# Altium PCB MOTHER_BOARD_LS1021_v1.0.PcbDoc (part 14 of 15) (continued)
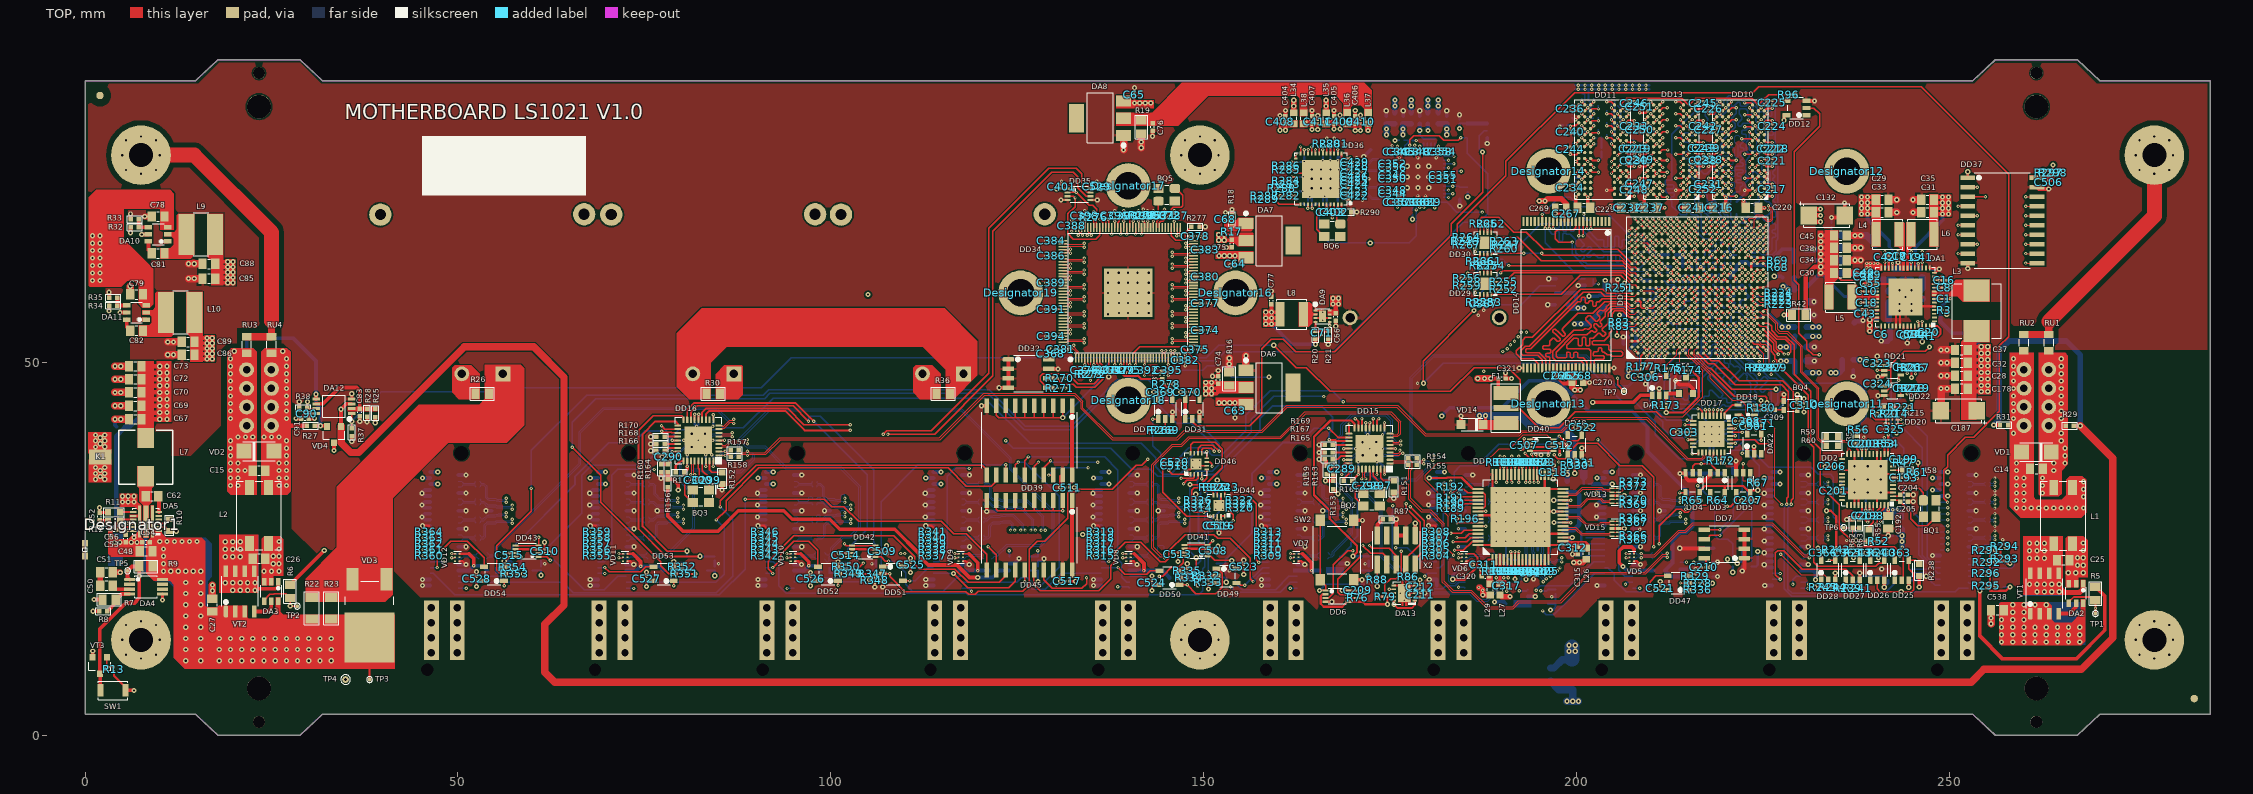
[diagram p0: TOP view]
## Nets (pads, with @x,y where several pads share a name; then routed paths per layer and width w, separated by ;. In a path a pad name is that pad's centre, name@x,y a point inside that pad or via, vN(x,y) a via of type N, cw(c..) or ccw(c..) an arc to the next point about the centre after c; other vN are vias at no path point) (continued)
  TOP w0.15: DD15.31@171.75,35.7 171.75,35.39 171.625,35.265 171.625,34.606 171.775,34.456 v1(171.775,34.375) ; R154.2@178.575,37.15 178.8,36.925 178.8,36.913 178.888,36.825 179.294,36.825 179.444,36.975 v1(179.525,36.975) ; v1(209.45,52.45) DD1.D3@209.85,52.85
  BOTTOM w0.15: v1(171.775,34.375) 171.775,34.456 171.625,34.606 171.625,34.75 171.85,34.975 172.331,34.975 173.156,34.15 178.579,34.15 180.313,35.884 180.313,36.591 180.079,36.825 179.756,36.825 179.606,36.975 v1(179.525,36.975) 179.444,36.975 179.294,36.825 178.897,36.825 177.994,37.728 177.994,47.903 180.858,50.768 201.215,50.768 205.272,46.711 207.036,46.711 207.847,47.522 207.847,48.448 208.475,49.076 208.475,51.285 209.175,51.985 209.175,52.213 209.412,52.45 v1(209.45,52.45)
USB1_PWR: L18.2 VD5.6 X4.8 X5.8 | length 40.2
  TOP w0.25: VD5.6@207.725,24.35 207.725,24.871
  TOP w0.5: v2(206.233,22.635) 205.737,23.13 205.737,24.743 206.263,25.268 207.407,25.268 207.725,24.95 207.725,24.871
  SIGNAL1 w0.5: v2(206.233,22.635) 207.542,21.325 216.015,21.325 216.409,21.719 218.329,21.719 218.61,22 219.19,22 220.015,21.175 226.031,21.175 226.876,20.33 227.558,20.33 228.083,20.856 v2(232.048,20.856)
  BOTTOM w0.5: v2(206.233,22.635) 206.767,22.1 X5.8@207.575,22.1 L18.2@210.375,22.1 ; X4.8@230.075,22.1 231.7,22.1 232.048,21.752 v2(232.048,20.856)
USB1_VBUS: DA23.1 R153.2 R163.2 | length 55.7
  TOP w0.5: v2(166.35,34.125) R153.2@167.4,34.125 ; v2(202.175,44.65) 207.625,44.65 208.575,45.6 DA23.1@210.15,45.6
  GND+PWR2 w0.5: v2(166.35,34.125) 166.35,36.392 167.962,38.005 167.962,42.283 170.005,44.325 190.825,44.325 193.6,41.55 197.825,41.55 200.925,44.65 v2(202.175,44.65)
USB2_CLK: DD1.U3 DD17.26 | length 23.2
  TOP w0.196: DD1.U3@220.25,52.85 v1(220.65,52.45) ; DD17.26@220.6,39.15 v1(221.3,39.15)
  BOTTOM w0.149: v1(220.65,52.45) 220.885,52.45 221.285,52.849 221.615,52.849 221.849,52.615 221.849,52.503 ; 222.65,50.55 222.65,51.825 222.425,52.05 222.025,52.05 221.85,52.225 221.85,52.502 ; 221.849,52.503 221.85,52.502
  BOTTOM w0.196: v1(221.3,39.15) 221.775,39.625 221.775,40.954 222.048,41.227 222.048,41.573 223.023,42.548 224.973,42.548 227,44.575 227,45.85 227.323,46.173 227.323,47.302 226.75,47.875 225.95,47.875 223.5,50.325 222.875,50.325 222.65,50.55
USB2_D0: DD1.U2 DD17.3 | length 20
  TOP w0.196: DD17.3@218.875,42.875 218.875,43.616 v1(218.936,43.677) ; DD1.U2@220.25,52.05 v1(220.65,51.65)
  BOTTOM w0.149: v1(220.65,51.65) 221.049,52.049 221.615,52.049 221.849,51.815 221.849,51.399 221.7,51.25 221.285,51.25 221.05,51.015 221.05,50.536
  BOTTOM w0.196: v1(218.936,43.677) 218.936,43.709 219.552,44.325 219.821,44.325 220.046,44.1 220.628,44.1 220.853,44.325 221.31,44.325 221.56,44.075 222.209,44.075 222.459,44.325 223.8,44.325 223.958,44.483 223.958,44.692 223.85,44.8 223.175,44.8 223.05,44.925 223.05,45.125 223.25,45.325 224.1,45.325 224.275,45.5 224.275,45.8 223.9,46.175 223.9,46.598 224.275,46.973 224.275,47.311 221.05,50.536
USB2_D1: DD1.U1 DD17.4 | length 20.1
  TOP w0.196: DD17.4@218.375,42.875 v1(218.375,43.675) ; DD1.U1@220.25,51.25 v1(220.65,50.85)
  BOTTOM w0.196: v1(218.375,43.675) 218.375,43.9 219.675,45.2 220,45.2 220.139,45.061 220.139,44.76 220.278,44.621 220.696,44.621 220.835,44.76 220.835,45.061 220.974,45.2 221.392,45.2 221.531,45.061 221.531,44.76 221.67,44.621 222.088,44.621 222.227,44.76 222.227,45.061 222.366,45.2 222.575,45.2 223.4,46.025 223.4,47.175 223.222,47.353 222.829,47.746 222.829,47.943 222.928,48.043 222.928,48.24 222.633,48.535 222.436,48.535 222.238,48.337 220.954,47.053 220.757,47.053 220.462,47.348 220.462,47.545 221.746,48.829 221.944,49.027 221.944,49.224 221.649,49.519 221.452,49.519 221.352,49.42 221.155,49.42 221.008,49.567 220.65,49.925 v1(220.65,50.85)
USB2_D2: DD1.T1 DD17.5 | length 24.5
  TOP w0.196: v1(217.811,43.677) 217.843,43.645 217.843,42.907 DD17.5@217.875,42.875 ; DD1.T1@219.45,51.25 v1(219.85,50.85)
  BOTTOM w0.196: v1(217.811,43.677) 217.811,44.421 217.811,44.629 217.671,44.769 217.225,44.769 217.086,44.908 217.086,45.325 217.225,45.465 217.671,45.465 217.811,45.604 217.811,46.136 217.958,46.283 218.155,46.283 219.149,45.289 219.346,45.289 219.641,45.585 219.641,45.782 218.549,46.874 217.594,47.829 217.594,48.025 217.889,48.321 218.086,48.321 219.041,47.366 220.816,45.591 221.013,45.591 221.309,45.886 221.309,46.083 219.632,47.76 219.632,47.957 219.85,48.175 219.85,48.384 219.711,48.523 218.788,48.523 218.648,48.662 218.648,49.08 218.788,49.219 219.85,49.219 220.255,49.219 220.394,49.358 220.394,49.776 220.255,49.915 219.985,49.915 219.85,50.05 v1(219.85,50.85)
USB2_D3: DD1.R2 DD17.6 | length 20.9
  TOP w0.196: v1(217.261,43.677) 217.375,43.563 DD17.6@217.375,42.875 ; DD1.R2@218.65,52.05 v1(219.05,51.65)
  BOTTOM w0.149: v1(219.05,51.65) 218.662,51.65 218.475,51.463 218.475,51.275 218.55,51.2 218.835,51.2 218.885,51.249 219.215,51.249 219.449,51.015 219.449,50.55
  BOTTOM w0.196: v1(217.261,43.677) 217.261,44.314 216.612,44.963 216.103,44.963 215.95,45.117 215.95,45.52 215.745,45.725 215.325,45.725 215.075,45.475 215.075,45.177 214.861,44.963 214.537,44.963 213.764,45.736 213.764,46.239 214.131,46.606 214.806,46.606 215.031,46.831 215.031,47.346 215.336,47.65 215.75,47.65 216.05,47.35 216.05,46.25 216.3,46 216.55,46 216.8,46.25 216.8,47.901 219.449,50.55
USB2_D4: DD1.T3 DD17.7 | length 20.5
  TOP w0.196: v1(216.3,43.775) 216.55,43.775 216.875,43.45 DD17.7@216.875,42.875 ; DD1.T3@219.45,52.85 v1(219.85,52.45)
  BOTTOM w0.149: 218.677,52.05 219.215,52.05 219.45,51.814 219.45,51.485 219.685,51.25 220.025,51.25 220.249,51.474 220.249,52.05 v1(219.85,52.45)
  BOTTOM w0.196: v1(216.3,43.775) 213.75,43.775 212.429,45.096 212.429,47.529 213.75,48.85 216.004,48.85 218.169,51.015 218.169,51.542 218.677,52.05
USB2_D5: DD1.T4 DD17.9 | length 22.3
  TOP w0.196: v1(214.85,42.25) 215.55,42.25 DD17.9@215.65,42.15 ; DD1.T4@219.45,53.65 v1(219.85,53.25)
  BOTTOM w0.149: 216.997,51.351 216.997,52.562 217.286,52.85 219.45,52.85 v1(219.85,53.25)
  BOTTOM w0.196: v1(214.85,42.25) 212.1,42.25 210.45,43.9 210.45,46.975 213.425,49.95 215.597,49.95 216.997,51.351
USB2_D6: DD1.R3 DD17.10 | length 20
  TOP w0.196: v1(214.55,41.65) DD17.10@215.65,41.65 ; DD1.R3@218.65,52.85 v1(219.05,52.45)
  BOTTOM w0.196: v1(214.55,41.65) 214.95,41.65 215.273,41.973 215.273,42.627 214.525,43.375 213.114,43.375 211.75,44.739 211.75,47.55 213.7,49.5 215.912,49.5 217.873,51.461 217.873,51.996 218.327,52.45 v1(219.05,52.45)
USB2_D7: DD1.R4 DD17.13 | length 25
  TOP w0.196: v1(214.686,40.164) 214.693,40.157 215.643,40.157 DD17.13@215.65,40.15 ; DD1.R4@218.65,53.65 v1(219.05,53.25)
  BOTTOM w0.149: 217.234,53.632 217.251,53.649 218.65,53.649 v1(219.05,53.25)
  BOTTOM w0.196: v1(214.686,40.164) 214.447,39.925 212.85,39.925 211.6,41.175 211.6,42.025 209.85,43.775 209.85,47.277 213.148,50.575 215.8,50.575 216.725,51.5 216.725,53.123 217.234,53.632
USB2_D_N: R129.1 VD6.2 X6.12 | length 4.3
  TOP w0.15: v1(184.175,23.825) 184.188,23.837 184.612,23.837 VD6.2@184.625,23.85
  BOTTOM w0.15: v1(184.175,23.825) 184.95,23.825 X6.12@185.075,23.7 185.425,23.7 185.6,23.875 185.6,23.887 185.738,24.025 187.337,24.025 187.425,23.937 187.425,23.925 R129.1@187.65,23.7
USB2_D_P: R130.1 VD6.1 X6.14 | length 4.3
  TOP w0.15: v1(184.175,24.375) 184.188,24.362 184.637,24.362 VD6.1@184.65,24.35
  BOTTOM w0.15: v1(184.175,24.375) 184.95,24.375 X6.14@185.075,24.5 185.425,24.5 185.6,24.325 185.6,24.313 185.638,24.275 187.337,24.275 187.425,24.363 187.425,24.375 R130.1@187.65,24.6
USB2_DIR: DD1.R1 DD17.31 | length 22.4
  TOP w0.196: DD1.R1@218.65,51.25 v1(219.05,50.85) ; DD17.31@220.6,41.65 v1(221.625,41.65)
  BOTTOM w0.196: v1(219.05,50.85) 216.5,48.3 214.194,48.3 213.85,47.956 213.85,47.25 213.068,46.468 213.068,45.307 213.983,44.392 216.433,44.392 216.838,43.987 216.838,42.737 217.752,41.823 218.3,41.823 218.548,41.575 218.548,41.379 218.952,40.975 220.02,40.975 220.043,40.998 220.048,40.998 220.7,41.65 v1(221.625,41.65)
USB2_NXT: DD1.V1 DD17.2 | length 24.7
  TOP w0.196: DD17.2@219.375,42.875 219.417,42.917 219.417,43.592 v1(219.5,43.675) ; DD1.V1@221.05,51.25 v1(221.45,50.85)
  BOTTOM w0.196: v1(219.5,43.675) 220.725,43.675 222.825,43.675 222.964,43.814 222.964,43.89 223.103,44.029 223.521,44.029 223.66,43.89 223.66,43.675 223.66,42.983 223.799,42.844 224.217,42.844 224.356,42.983 224.356,43.675 224.356,44.213 224.495,44.352 224.913,44.352 225.052,44.213 225.052,43.814 225.191,43.675 225.4,43.675 226.15,44.425 226.15,46.1 226.141,46.109 225.747,46.503 225.551,46.503 225.063,46.015 224.866,46.015 224.571,46.311 224.571,46.507 225.157,47.093 225.637,47.573 225.637,47.77 225.341,48.065 225.144,48.065 224.665,47.585 224.641,47.561 224.444,47.561 224.148,47.857 224.148,48.053 224.148,48.102 223.704,48.546 223.656,48.546 223.459,48.546 223.164,48.841 223.164,49.038 223.188,49.062 223.663,49.537 223.663,49.733 223.368,50.029 223.171,50.029 222.795,49.652 222.598,49.652 222.45,49.8 221.45,50.8 v1(221.45,50.85)
USB2_PWR: L19.2 VD6.6 X6.8 | length 18.8
  TOP w0.25: VD6.6@185.225,24.35 186.208,24.35 186.734,23.823 186.734,22.983
  TOP w0.4: v2(183.425,20.925) 185.019,20.925 186.734,22.64 186.734,22.983
  GND+PWR1 w0.5: v2(183.425,20.925) 187.619,20.925 188.999,19.545 v2(188.999,17.879)
  BOTTOM w0.5: v2(183.425,20.925) 183.425,21.45 184.075,22.1 X6.8@185.075,22.1 ; v2(188.999,17.879) 190.296,17.879 L19.2@190.525,17.65
USB2_STP: DD1.T5 DD17.29 | length 25.1
  TOP w0.196: DD1.T5@219.45,54.45 v1(219.85,54.05) ; DD17.29@220.6,40.65 v1(222.25,40.65)
  BOTTOM w0.149: v1(219.85,54.05) 220.25,53.649 222.476,53.649 222.65,53.475 222.65,52.285 222.885,52.05 223.251,52.05 223.273,52.073
  BOTTOM w0.196: v1(222.25,40.65) 222.975,40.65 224.25,41.925 225.25,41.925 228.45,45.125 228.45,46.925 226.556,48.819 226.081,48.819 225.4,49.5 225.4,50.8 224.127,52.073 223.273,52.073 ; 223.248,52.05 223.251,52.05
USB3_D_N: R131.1 VD7.2 X7.12 | length 4.7
  TOP w0.15: v1(161.65,23.825) 161.663,23.837 162.112,23.837 VD7.2@162.125,23.85
  BOTTOM w0.15: v1(161.65,23.825) 162.45,23.825 X7.12@162.575,23.7 162.925,23.7 163.1,23.875 163.1,23.887 163.188,23.975 163.4,23.975 164.512,23.975 165.237,23.975 165.325,23.887 165.325,23.875 R131.1@165.55,23.65
USB3_D_P: R132.1 VD7.1 X7.14 | length 4.7
  TOP w0.15: v1(161.65,24.375) 161.663,24.362 162.137,24.362 VD7.1@162.15,24.35
  BOTTOM w0.15: v1(161.65,24.375) 162.45,24.375 X7.14@162.575,24.5 162.925,24.5 163.1,24.325 163.1,24.313 163.188,24.225 163.504,24.225 164.616,24.225 165.237,24.225 165.325,24.313 165.325,24.325 R132.1@165.55,24.55
USB3_PWR: L20.2 VD7.6 X7.8 | length 3.3
  TOP w0.196: VD7.6@162.725,24.35 163.275,24.35
  TOP w0.5: 163.275,24.35 164.475,23.15 v1(164.475,22.1)
USB4_D_N: R133.1 VD8.2 X8.12 | length 4.4
  TOP w0.15: v1(139.15,23.825) 139.163,23.837 139.612,23.837 VD8.2@139.625,23.85
  BOTTOM w0.15: v1(139.15,23.825) 139.95,23.825 X8.12@140.075,23.7 140.425,23.7 140.6,23.875 140.6,23.887 140.688,23.975 140.9,23.975 142.062,23.975 142.412,23.975 142.5,23.887 142.5,23.875 R133.1@142.725,23.65
USB4_D_P: R134.1 VD8.1 X8.14 | length 4.4
  TOP w0.15: v1(139.15,24.375) 139.163,24.362 139.637,24.362 VD8.1@139.65,24.35
  BOTTOM w0.15: v1(139.15,24.375) 139.95,24.375 X8.14@140.075,24.5 140.425,24.5 140.6,24.325 140.6,24.313 140.688,24.225 141.004,24.225 141.959,24.225 142.412,24.225 142.5,24.313 142.5,24.325 R134.1@142.725,24.55
USB4_PWR: L21.2 VD8.6 X8.8 | length 9.1
  TOP w0.196: VD8.6@140.225,24.35 140.7,24.35
  TOP w0.5: 140.7,24.35 142,23.05 v1(142,22.1)
  BOTTOM w0.5: X8.8@140.075,22.1 144.475,22.1 145.425,21.15 L21.2@145.425,21.1
USB5_D_N: R135.1 VD9.2 X9.12 | length 4.7
  TOP w0.15: v1(116.65,23.825) 116.663,23.837 117.112,23.837 VD9.2@117.125,23.85
  BOTTOM w0.15: v1(116.65,23.825) 117.45,23.825 X9.12@117.575,23.7 117.925,23.7 118.1,23.875 118.1,23.887 118.213,24 120.187,24 120.275,23.912 120.275,23.9 R135.1@120.5,23.675
USB5_D_P: R136.1 VD9.1 X9.14 | length 4.7
  TOP w0.15: v1(116.65,24.375) 116.662,24.362 117.137,24.362 VD9.1@117.15,24.35
  BOTTOM w0.15: v1(116.65,24.375) 117.45,24.375 X9.14@117.575,24.5 117.925,24.5 118.1,24.325 118.1,24.313 118.163,24.25 120.187,24.25 120.275,24.338 120.275,24.35 R136.1@120.5,24.575
USB5_PWR: L22.2 VD9.6 X9.8 | length 3.5
  TOP w0.25: VD9.6@117.725,24.35 118.525,24.35
  TOP w0.5: 118.525,24.35 119.725,23.15 v1(119.725,22.1)
USB6_D_N: R137.1 VD10.2 X10.12 | length 4.7
  TOP w0.15: v1(94.125,23.825) 94.138,23.837 94.612,23.837 VD10.2@94.625,23.85
  BOTTOM w0.15: v1(94.125,23.825) 94.95,23.825 X10.12@95.075,23.7 95.425,23.7 95.6,23.875 95.6,23.887 95.688,23.975 95.9,23.975 97.475,23.975 97.712,23.975 97.8,23.887 97.8,23.875 R137.1@98.025,23.65
USB6_D_P: R138.1 VD10.1 X10.14 | length 4.7
  TOP w0.15: v1(94.125,24.375) 94.138,24.362 94.637,24.362 VD10.1@94.65,24.35
  BOTTOM w0.15: v1(94.125,24.375) 94.95,24.375 X10.14@95.075,24.5 95.425,24.5 95.6,24.325 95.6,24.313 95.688,24.225 96.004,24.225 97.371,24.225 97.712,24.225 97.8,24.313 97.8,24.325 R138.1@98.025,24.55
USB6_PWR: L23.2 VD10.6 X10.8 | length 6.9
  TOP w0.3: VD10.6@95.225,24.35 95.975,24.35
  TOP w0.5: 95.975,24.35 97.05,23.275 v1(97.05,22.75)
  BOTTOM w0.5: X10.8@95.075,22.1 96.4,22.1 v1(97.05,22.75) 98,22.75 L23.2@98.65,22.1
USB7_D_N: R139.1 VD11.2 X11.12 | length 4.7
  TOP w0.15: v1(71.6,23.825) 71.613,23.837 72.112,23.837 VD11.2@72.125,23.85
  BOTTOM w0.15: v1(71.6,23.825) 72.45,23.825 X11.12@72.575,23.7 72.925,23.7 73.1,23.875 73.1,23.887 73.188,23.975 73.4,23.975 74.762,23.975 75.137,23.975 75.225,23.887 75.225,23.875 R139.1@75.45,23.65
USB7_D_P: R140.1 VD11.1 X11.14 | length 4.7
  TOP w0.15: v1(71.6,24.375) 71.613,24.362 72.137,24.362 VD11.1@72.15,24.35
  BOTTOM w0.15: v1(71.6,24.375) 72.45,24.375 X11.14@72.575,24.5 72.925,24.5 73.1,24.325 73.1,24.313 73.188,24.225 73.504,24.225 74.659,24.225 75.137,24.225 75.225,24.313 75.225,24.325 R140.1@75.45,24.55
USB7_PWR: L24.2 VD11.6 X11.8 | length 8.3
  TOP w0.3: VD11.6@72.725,24.35 73.475,24.35
  TOP w0.5: 73.475,24.35 74.5,23.325 v1(74.5,22.675)
  BOTTOM w0.5: X11.8@72.575,22.1 73.925,22.1 v1(74.5,22.675) 77,22.675 L24.2@77.575,22.1
USB8_D_N: R141.1 VD12.2 X12.12 | length 4.4
  TOP w0.15: v1(49.15,23.825) 49.163,23.837 49.612,23.837 VD12.2@49.625,23.85
  BOTTOM w0.15: v1(49.15,23.825) 49.95,23.825 X12.12@50.075,23.7 50.425,23.7 50.6,23.875 50.6,23.887 50.688,23.975 50.9,23.975 52.25,23.975 52.462,23.975 52.55,23.887 52.55,23.875 R141.1@52.775,23.65
USB8_D_P: R142.1 VD12.1 X12.14 | length 4.4
  TOP w0.15: v1(49.15,24.375) 49.163,24.362 49.637,24.362 VD12.1@49.65,24.35
  BOTTOM w0.15: v1(49.15,24.375) 49.95,24.375 X12.14@50.075,24.5 50.425,24.5 50.6,24.325 50.6,24.313 50.688,24.225 51.004,24.225 52.146,24.225 52.462,24.225 52.55,24.313 52.55,24.325 R142.1@52.775,24.55
USB8_PWR: L25.2 VD12.6 X12.8 | length 7.5
  TOP w0.3: VD12.6@50.225,24.35 51.501,24.35
  TOP w0.5: 51.501,24.35 52.125,23.726 v1(52.125,22.75)
  BOTTOM w0.5: X12.8@50.075,22.1 51.475,22.1 v1(52.125,22.75) 53.275,22.75 L25.2@53.925,22.1
USB_ULPI_N: DD16.30 DD17.19 R158.2 | length 156.4
  TOP w0.15: v1(81.225,34.925) 81.225,35.006 81.375,35.156 81.375,36.365 81.25,36.49 DD16.30@81.25,36.8 ; R158.2@87.675,37.35 87.9,37.575 87.9,37.587 87.988,37.675 88.594,37.675 88.744,37.525 v1(88.825,37.525) 88.906,37.525 89.056,37.675 91.279,37.675 93.271,39.667 114.671,39.667 120.627,45.623 132.623,45.623 133.572,44.674 133.572,43.774 137.721,39.625 146.525,39.625 147.541,40.641 157.891,40.641 161.246,43.996 175.909,43.996 179.704,40.2 192.35,40.2 192.775,40.625 198.069,40.625 199.819,42.375 209.375,42.375 214.825,36.925 216.9,36.925 217.25,37.275 217.25,37.515 217.375,37.64 DD17.19@217.375,37.925
  BOTTOM w0.15: v1(81.225,34.925) 81.225,35.006 81.375,35.156 81.375,35.454 81.671,35.75 82.675,35.75 82.95,35.475 87.875,35.475 89.55,37.15 89.55,37.5 89.375,37.675 89.056,37.675 88.906,37.525 v1(88.825,37.525)
USB_ULPI_P: DD16.31 DD17.18 R157.2 | length 156.4
  TOP w0.15: DD16.31@81.75,36.8 81.75,36.49 81.625,36.365 81.625,35.156 81.775,35.006 v1(81.775,34.925) ; R157.2@87.675,38.25 87.9,38.025 87.9,38.013 87.988,37.925 88.594,37.925 88.744,38.075 v1(88.825,38.075) 88.906,38.075 89.056,37.925 91.175,37.925 93.167,39.917 114.567,39.917 120.523,45.873 132.727,45.873 133.822,44.778 133.822,43.878 137.825,39.875 146.421,39.875 147.437,40.891 157.787,40.891 161.142,44.246 176.012,44.246 179.808,40.45 192.246,40.45 192.671,40.875 197.966,40.875 199.716,42.625 209.479,42.625 214.929,37.175 216.796,37.175 217,37.379 217,37.515 216.875,37.64 DD17.18@216.875,37.925
  BOTTOM w0.15: v1(81.775,34.925) 81.775,35.006 81.625,35.156 81.625,35.35 81.775,35.5 82.571,35.5 82.846,35.225 87.979,35.225 89.8,37.046 89.8,37.604 89.479,37.925 89.056,37.925 88.906,38.075 v1(88.825,38.075)
USB_ULPI_PWR: DA22.1 DD17.22 R156.2 R164.2 | length 215.3
  TOP w0.25: v1(218.875,36.975) DD17.22@218.875,37.925
  TOP w0.5: R156.2@78.15,34.35 78.825,34.35 79.55,33.625 v2(79.55,32.9) ; DA22.1@222.875,37.75 v2(222.875,38.85)
  SIGNAL1 w0.5: v2(105,59.1) 128.65,82.75 157.9,82.75 158.4,82.25 172.175,82.25 173.475,80.95 173.475,70.15 185.8,57.825 191.425,57.825 196.902,52.348 205.627,52.348 210.075,47.9 210.075,46.56 210.891,45.744 212.194,45.744 214.239,43.699 215.401,43.699 216.4,42.7 218.775,42.7 220.025,41.45 220.025,39.05 220.6,38.475 221.5,38.475 221.875,38.85 v2(222.875,38.85) 222.875,37.1 223.05,36.925 223.05,35.725 222.55,35.225 220.05,35.225 218.875,36.4 v1(218.875,36.975)
  GND+PWR2 w0.5: v2(79.55,32.9) 79.575,32.925 79.575,52.125 84.075,56.625 102.525,56.625 v2(105,59.1)
VCC_DDR: C30.2 C34.2 C36.2 C38.2 C39.2 C45.2 C132.1 C133.2 C134.1 C135.2 C136.1 C146.1 C147.2 C148.1 C149.2 C150.1 C159.1 C160.2 C161.1 C162.2 C163.1 C171.1 C172.2 C173.1 C174.2 C175.1 C181.1 C182.2 C183.1 C184.2 C185.1 C189.1 C216.1 C217.2 C220.1 C221.2 C224.2 C225.2 C226.2 C227.2 C228.2 C229.1 C230.2 C231.2 C232.1 C233.2 C234.2 C235.2 C236.2 C237.1 C238.2 C240.2 C241.1 C242.2 C244.2 C245.2 C246.2 C247.2 C248.2 C249.2 C250.2 C251.2 C252.2 DA1.30 DA1.38 DD1.AB18 DD1.AB20 DD1.AB22 DD1.K15 DD1.L15 DD1.M15 DD1.N15 DD1.P15 DD1.P17 DD1.P19 DD1.R15 DD1.R21 DD1.T17 DD1.T19 DD1.V18 DD1.V20 DD1.V22 DD1.Y18 DD1.Y20 DD1.Y22 DD10.A1 DD10.A8 DD10.B2 DD10.C1 DD10.C9 DD10.D2 DD10.D9 DD10.E9 DD10.F1 DD10.G7 DD10.H2 DD10.H9 DD10.K2 DD10.K8 DD10.N1 DD10.N9 DD10.R1 DD10.R9 DD11.A1 DD11.A8 DD11.B2 DD11.C1 DD11.C9 DD11.D2 DD11.D9 DD11.E9 DD11.F1 DD11.G7 DD11.H2 DD11.H9 DD11.K2 DD11.K8 DD11.N1 DD11.N9 DD11.R1 DD11.R9 DD13.A1 DD13.A8 DD13.B2 DD13.C1 DD13.C9 DD13.D2 DD13.D9 DD13.E9 DD13.F1 DD13.G7 DD13.H2 DD13.H9 DD13.K2 DD13.K8 DD13.N1 DD13.N9 DD13.R1 DD13.R9 L5.2 L16.2 R42.1 R43.1 R89.1 R93.1 R96.1 | length 145.8
  TOP w0.2: 238.446,61.025 238.9,61.439 C36.2@238.9,61.525
  TOP w0.25: C30.2@234.55,62 235.525,61.025 238.446,61.025 ; C36.2@238.9,61.525 DA1.30@240.25,61.525 ; v1(239.25,57.525) DA1.38@240.25,57.525
  TOP w0.3: C234.2@199.175,73.725 199.875,73.725 v1(199.9,73.75) DD11.C9@200.3,74.15 ; C244.2@199.175,78.35 v1(199.175,77.9) 199.187,77.9 199.193,77.907 200.057,77.907 DD11.H9@200.3,78.15 ; C240.2@199.2,81.225 199.2,81.675 v1@199.225,81.7 ; v1(199.2,81.7) v1@199.225,81.7 ; C236.2@199.2,83.775 199.225,83.75 v1(199.8,83.75) DD11.R9@200.3,83.75 ; DD11.D9@200.3,74.95 v1(199.9,75.35) DD11.E9@200.3,75.75 ; DD11.N9@200.3,82.15 199.85,81.7 v1@199.225,81.7 ; v1(200.7,80.15) DD11.K8@201.1,79.75 ; DD11.A8@201.1,72.55 v1(201.5,72.15) ; DD11.G7@201.9,77.35 202.15,77.1 v1(202.95,77.1) ; v1(205.5,74.55) DD11.D2@205.9,74.95 ; v1(205.5,77.75) DD11.H2@205.9,78.15 ; v1(205.5,80.15) DD11.K2@205.9,79.75 ; DD11.B2@205.9,73.35 v1(206.3,73.75) ; DD11.A1@206.7,72.55 206.95,72.3 v1(207.75,72.3) ; DD11.C1@206.7,74.15 206.95,73.9 v1(207.75,73.9) C248.2@207.75,73.45 ; DD11.F1@206.7,76.55 206.95,76.3 v1(207.75,76.3) C230.2@207.75,76.75 ; DD11.N1@206.7,82.15 206.95,82.4 v1(207.75,82.4) C233.2@207.75,81.975 ; DD11.R1@206.7,83.75 206.95,84 v1(207.75,84) C246.2@207.75,84.5 ; C247.2@208.5,74.225 v1(208.5,74.7) 209.3,74.7 DD13.D9@209.55,74.95 ; C249.2@208.5,77.475 v1(208.5,77.9) 209.3,77.9 DD13.H9@209.55,78.15 ; C250.2@208.5,81.45 v1(208.5,81.9) 209.3,81.9 DD13.N9@209.55,82.15 ; C251.2@208.5,84 v1(208.5,83.5) 209.3,83.5 DD13.R9@209.55,83.75 ; v1(209.15,73.75) DD13.C9@209.55,74.15 ; v1(209.15,75.35) DD13.E9@209.55,75.75 ; v1(209.95,80.15) DD13.K8@210.35,79.75 ; DD13.A8@210.35,72.55 v1(210.825,72.075) ; DD13.G7@211.15,77.35 211.4,77.1 v1(212.2,77.1) ; DD1.K15@214.65,62.45 v1(215.05,62.85) DD1.L15@215.45,62.45 ; v1(214.75,72.95) DD13.B2@215.15,73.35 ; v1(214.75,74.55) DD13.D2@215.15,74.95 ; v1(214.75,77.75) DD13.H2@215.15,78.15 ; v1(214.75,80.15) DD13.K2@215.15,79.75 ; DD13.A1@215.95,72.55 216.2,72.3 v1(217,72.3) ; DD13.C1@215.95,74.15 216.2,73.9 v1(217,73.9) C252.2@217,73.475 ; DD13.F1@215.95,76.55 216.2,76.3 v1(217,76.3) C238.2@217,76.75 ; DD13.N1@215.95,82.15 216.2,82.4 v1(217,82.4) C242.2@217,81.975 ; DD13.R1@215.95,83.75 216.2,84 v1(217,84) C245.2@217,84.5 ; DD1.M15@216.25,62.45 v1(216.65,62.85) DD1.N15@217.05,62.45 ; C231.2@217.75,74.2 v1(217.75,74.7) 218.55,74.7 DD10.D9@218.8,74.95 ; C228.2@217.75,77.475 v1(217.75,77.9) 218.55,77.9 DD10.H9@218.8,78.15 ; C227.2@217.75,81.475 v1(217.75,81.9) 218.55,81.9 DD10.N9@218.8,82.15 ; C226.2@217.75,83.775 217.75,83.375 v1(217.775,83.35) 218.4,83.35 DD10.R9@218.8,83.75 ; DD1.P15@217.85,62.45 v1(218.25,62.85) DD1.R15@218.65,62.45 ; DD1.P17@217.85,64.05 v1(218.25,64.45) ; DD1.P19@217.85,65.65 v1(218.25,66.05) ; v1(218.4,73.75) DD10.C9@218.8,74.15 ; v1(218.4,75.35) DD10.E9@218.8,75.75 ; DD1.R21@218.65,67.25 v1(219.05,67.65) ; v1(219.2,80.15) DD10.K8@219.6,79.75 ; DD1.T17@219.45,64.05 v1(219.85,64.45) ; DD1.T19@219.45,65.65 v1(219.85,66.05) ; DD10.A8@219.6,72.55 v1(220,72.15) ; DD10.G7@220.4,77.35 220.65,77.1 v1(221.45,77.1) ; DD1.V18@221.05,64.85 v1(221.45,65.25) ; DD1.V20@221.05,66.45 v1(221.45,66.85) ; DD1.V22@221.05,68.05 v1(221.45,68.45) ; DD1.Y18@222.65,64.85 v1(223.05,65.25) ; DD1.Y20@222.65,66.45 v1(223.05,66.85) ; DD1.Y22@222.65,68.05 v1(223.05,68.45) ; v1(224,72.95) DD10.B2@224.4,73.35 ; v1(224,74.55) DD10.D2@224.4,74.95 ; v1(224,77.75) DD10.H2@224.4,78.15 ; v1(224,80.15) DD10.K2@224.4,79.75 ; DD1.AB18@224.25,64.85 v1(224.65,65.25) ; DD1.AB20@224.25,66.45 v1(224.65,66.85) ; DD1.AB22@224.25,68.05 v1(224.65,68.45) ; DD10.A1@225.2,72.55 225.45,72.3 v1(226.25,72.3) ; DD10.C1@225.2,74.15 225.45,73.9 v1(226.25,73.9) C217.2@226.25,73.475 ; DD10.F1@225.2,76.55 225.45,76.3 v1(226.25,76.3) C221.2@226.25,76.75 ; DD10.N1@225.2,82.15 225.45,82.4 v1(226.25,82.4) C224.2@226.25,81.925 ; DD10.R1@225.2,83.75 225.55,84.1 v1(226.25,84.1) C225.2@226.25,84.55 ; R96.1@228.75,85.925 v2(229.375,85.925)
  TOP w0.45: v1(201.5,72.15) 201.5,71.1 C229.1@201.85,70.75 ; C216.1@220,70.775 v1(220,72.15)
  TOP w0.5: v1(204.55,71.05) 205.7,71.05 C232.1@206,70.75 ; C237.1@210.775,70.75 v1(211.85,70.75) ; v1(213.75,70.825) 214.65,70.825 C241.1@214.725,70.75 ; v1(222.4,71.775) 222.4,71.05 C220.1@222.7,70.75
  TOP w0.6: R42.1@230.725,56.375 230.725,61.625 231.95,62.85 v2(232.775,62.85) 234.55,62.85 ; C132.1@230.95,68.875 v2(232.725,68.875) ; C132.1@230.95,69.725 C132.1@231.175,69.725 v2(232.725,69.725) ; C132.1@230.95,70.575 v2(232.725,70.575) ; v2(232.775,62) C30.2@234.55,62 ; v2(232.775,63.7) C34.2@234.55,63.7 ; v2(232.775,64.55) 234.55,64.55 ; v2(232.775,65.375) C38.2@234.55,65.375 ; v2(232.775,66.225) 234.55,66.225 ; v2(232.775,67.025) C45.2@234.55,67.025
  BOTTOM w0.3: C162.2@198.75,81.825 199.075,81.825 v1(199.2,81.7) ; C161.1@199.4,83.35 v1(199.8,83.75) ; v1(199.9,73.75) C160.2@199.9,74.225 ; v1(202.95,77.1) 203.375,77.525 C235.2@203.375,78.25 ; C133.2@207.3,72.3 v1(207.75,72.3) ; v1(207.75,84) C150.1@207.75,84.45 ; v1(215.05,62.85) C185.1@215.575,62.85 C147.2@215.575,62.325 ; C136.1@216.65,63.3 v1(216.65,62.85) C184.2@217.175,62.85 ; C135.2@217.775,64.45 v1(218.25,64.45) C182.2@218.25,63.925 ; v1(218.25,62.85) C183.1@218.725,62.85 ; C173.1@218.25,65.525 v1(218.25,66.05) ; C134.1@219.325,66.05 v1(219.85,66.05) ; C175.1@219.85,63.925 v1(219.85,64.45) 219.85,64.75 C174.2@219.975,64.875 ; C172.2@221,65.45 221.25,65.45 v1(221.45,65.25) ; R89.1@222.25,68.725 222.775,68.725 v1(223.05,68.45) ; v1(222.4,71.775) 223,71.175 R93.1@223.05,71.175 ; v1(223.05,65.25) 223.05,65.2 C163.1@223.525,64.725 C149.2@224.025,64.725 ; C146.1@233.8,67.025 234.2,67.425 C148.1@234.2,68.175
  BOTTOM w0.4: v2(232.775,62) 235.95,58.825 238.215,58.825 239.075,57.965 239.075,57.7 v1(239.25,57.525)
  BOTTOM w0.6: v2(228.15,58.15) C189.1@229.15,58.15 ; L16.2@230.75,59.775 230.75,59.975 v2(232.775,62) ; R43.1@230.9,63.375 231.225,63.7 v2(232.775,63.7) ; v2(232.775,65.375) C181.1@233.8,65.375 ; v2(232.775,67.025) C146.1@233.8,67.025 ; C171.1@233.8,62 v2(232.775,62) ; C159.1@233.8,63.7 v2(232.775,63.7) ; v2(232.775,62) v2(232.775,62.85) v2(232.775,63.7)
VCC_O1VDD: C58.2 C92.1 C98.1 C105.1 C207.1 C209.2 DA1.26 DD1.J10 DD1.J11 DD3.5 DD4.5 DD5.5 DD6.8 DD12.5 R45.2 R66.2 R67.2 R74.2 R75.2 R76.2 R79.1 R80.2 R81.2 R82.2 R83.2 R84.2 | length 39.4
  TOP w0.3: v2(168.575,19.425) DD6.8@169.45,19.425 C209.2@170.4,19.425 170.4,19.15 170.575,18.975 170.825,18.975 170.975,18.825 R76.2@170.975,18.425 ; v2(173.4,18.575) R79.1@174.075,18.575 ; v2(205.425,53.625) R83.2@205.425,54.825 R82.2@205.425,55.375 ; v1(213.45,58.05) DD1.J10@213.85,58.45 ; v1(213.45,58.85) DD1.J11@213.85,59.25 ; DD4.5@216.525,32.5 216.525,32.725 217.25,33.45 222.35,33.45 DD5.5@223.3,32.5 ; DD3.5@219.875,32.5 219.875,33.444 ; v2(224.05,31.5) C207.1@223.3,31.5 DD5.5@223.3,32.5 ; R67.2@224.325,33.55 v2(224.325,32.85) 223.65,32.85 DD5.5@223.3,32.5
  TOP w0.5: v2(227.85,82.475) 227.85,83.175 DD12.5@228.15,83.175
  GND+PWR1 w0.13: 210.5,59.25 213.05,59.25 v1(213.45,58.85) ; 210.525,58.5 210.585,58.44 213.06,58.44 v1(213.45,58.05)
  BOTTOM w0.3: v2(205.425,53.625) R80.2@205.425,54.3 R81.2@205.425,54.85 R84.2@205.425,55.375 ; v1(206.7,55.125) R66.2@207.175,55.125 ; R75.2@210.65,49.675 211.05,49.675 ; v1(211.05,49.075) 211.05,49.675 ; R74.2@211.45,49.675 211.05,49.675 ; C98.1@213,59.125 213.175,59.125 v1(213.45,58.85) ; v1(213.45,58.05) 213.95,57.55 C105.1@213.975,57.55 ; C58.2@241.375,62.55 241.85,63.025 241.85,63.129 241.875,63.129 v1(241.875,63.65)
  BOTTOM w0.5: C92.1@240.1,64.175 240.175,64.1 v1(241.875,64.1)
  BOTTOM w0.75: v2(199.725,55.175) v2(200.596,55.175) 201.575,55.175 R45.2@203.875,57.475
  other v1: 241.875,64.55